# Altium PCB develboard_eva.PcbDoc (part 3 of 4) (continued)
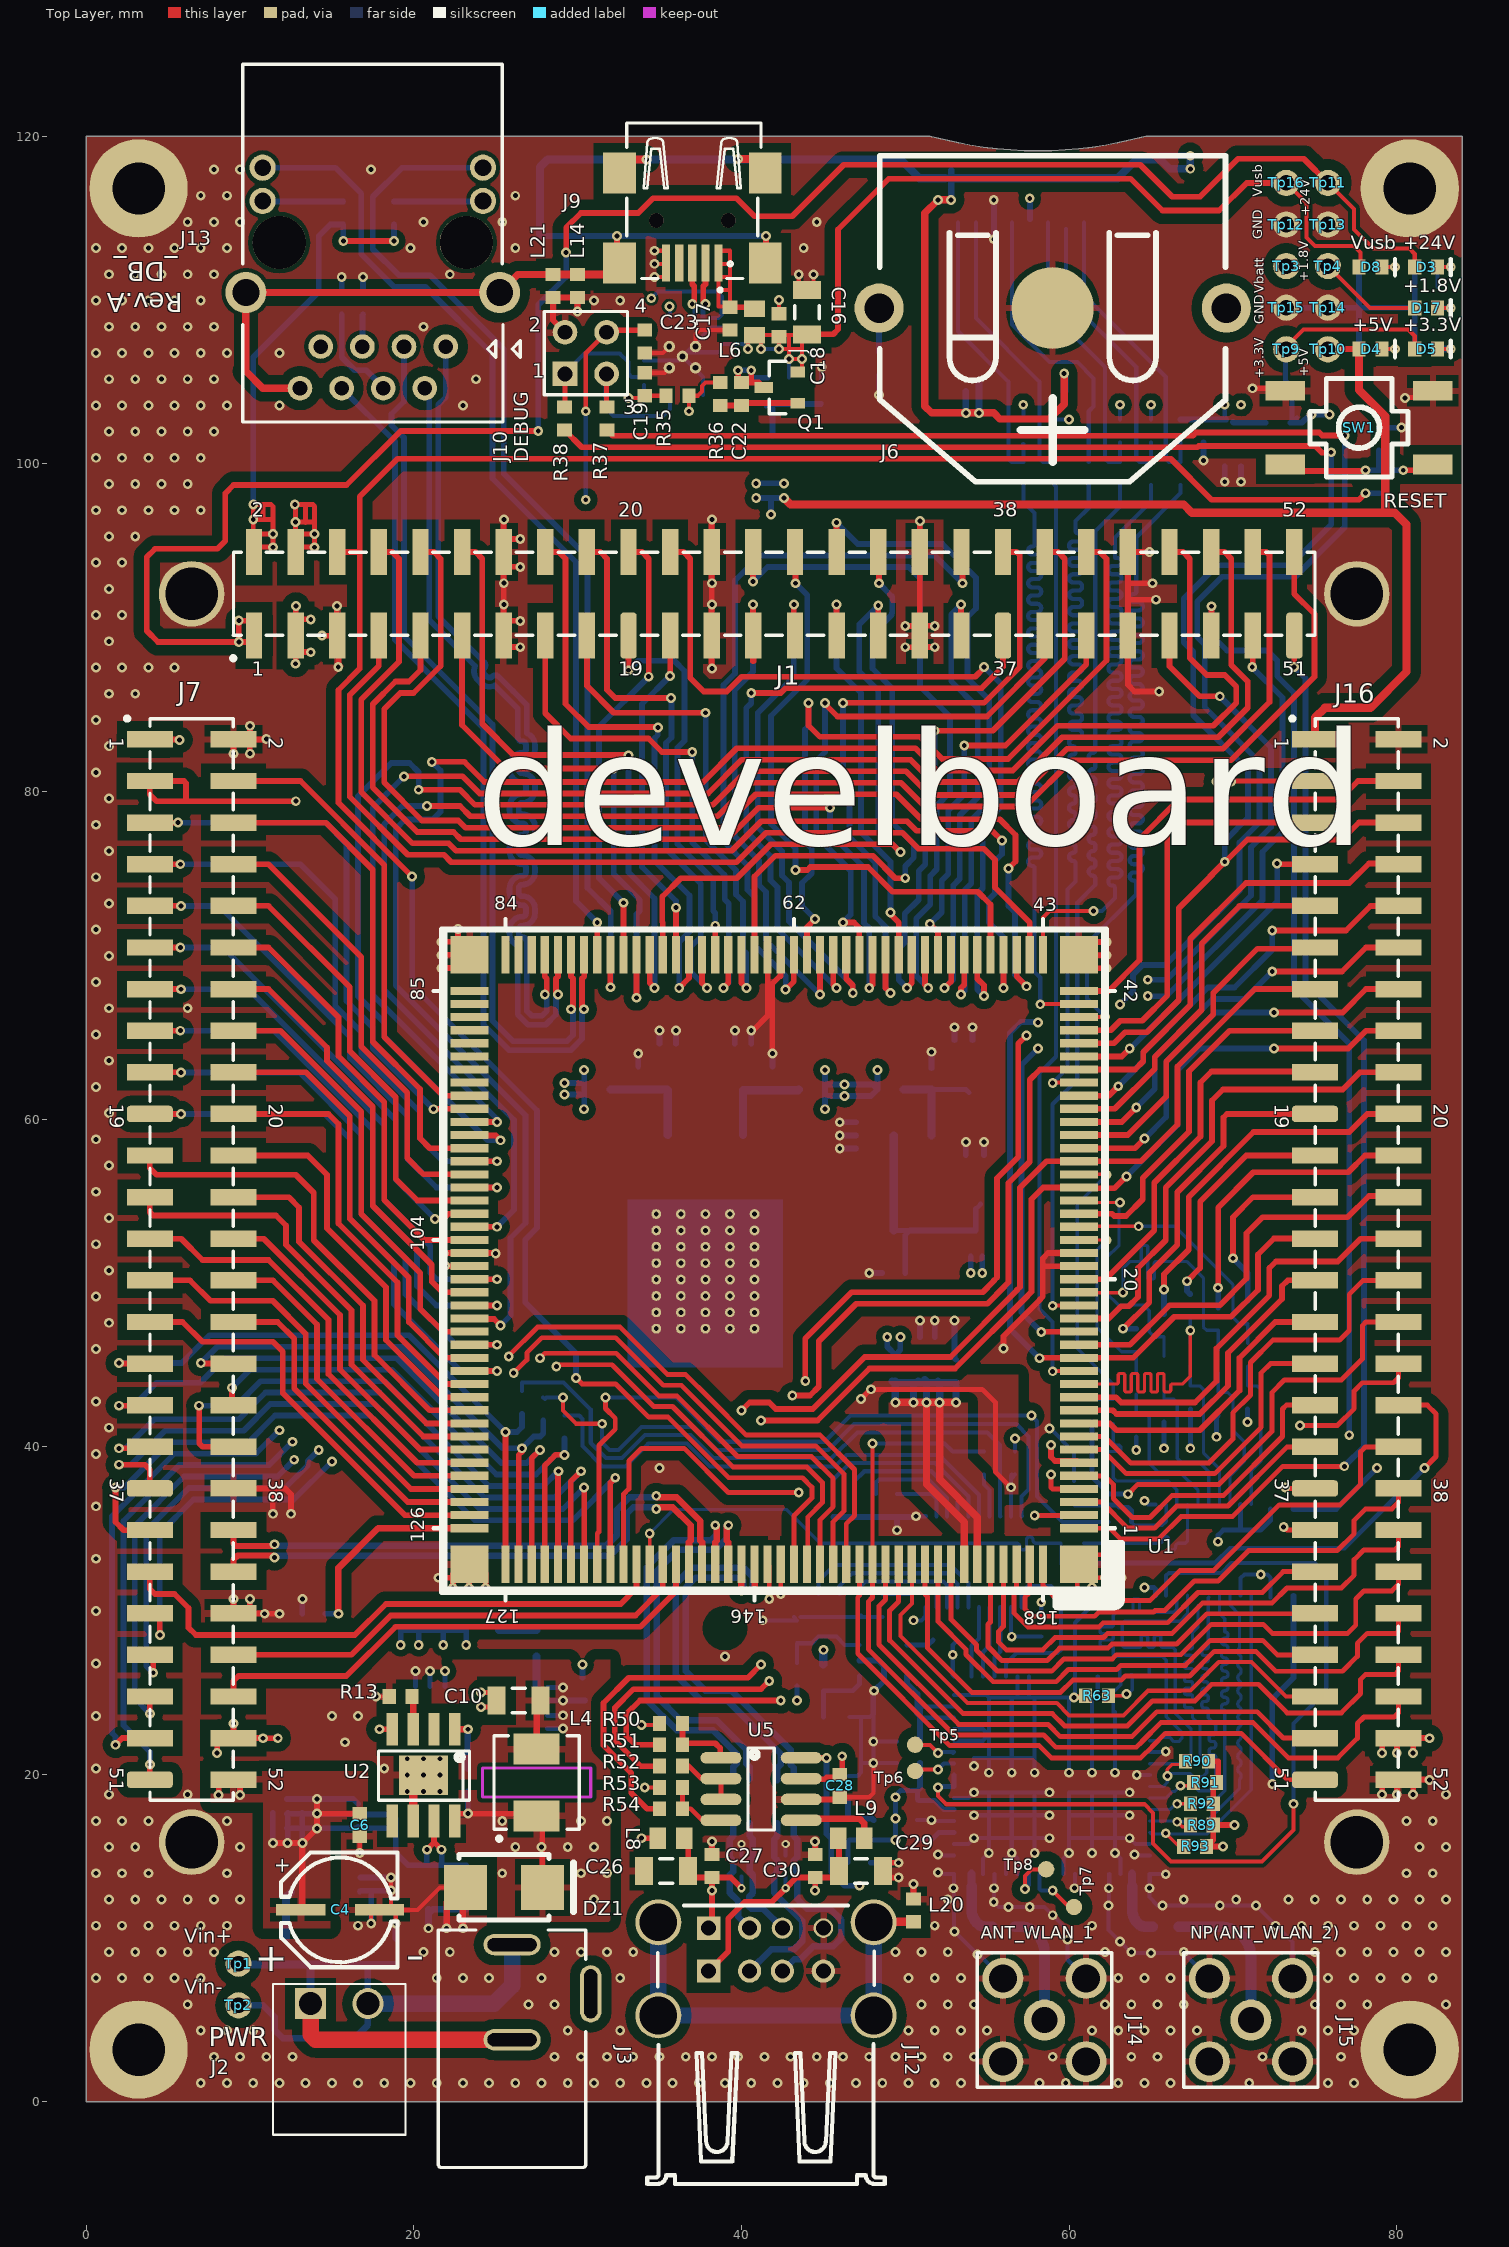
[diagram p0: Top Layer view]
## Nets (pads, with @x,y where several pads share a name; then routed paths per layer and width w, separated by ;. In a path a pad name is that pad's centre, name@x,y a point inside that pad or via, vN(x,y) a via of type N, cw(c..) or ccw(c..) an arc to the next point about the centre after c; other vN are vias at no path point) (continued)
PB1_G0_RXCK_SCK2_ISI_PCK_A2: J7.4 U1.93 | length 28.5
  Top Layer w0.35: J7.4@8.99,80.63 13.08,80.63 18.2,75.51 18.2,65 21.78,61.42 U1.93@23.4,61.42
PB3_G0_TXER_CTS2_ISI_VSYNC_C2: J7.5 U1.94 | length 33.2
  Top Layer w0.35: J7.5@3.89,78.09 5.59,78.09 v1(5.6,78.1) ; v1(21.2,60.6) 21.22,60.62 U1.94@23.4,60.62
  Bottom Layer w0.35: v1(5.6,78.1) 5.61,78.09 14.61,78.09 15.9,76.8 15.9,67.197 17.5,65.597 17.5,64.3 v1(21.2,60.6)
PB4_G0_CRS_RXD2_ISI_HSYNC_J3: J7.13 U1.107 | length 33.9
  Top Layer w0.35: J7.13@3.89,67.93 5.79,67.93 v1(5.8,67.92) ; U1.107@23.4,50.22 v1(25.08,50.22)
  Bottom Layer w0.35: v1(5.8,67.92) 9.92,67.92 18.2,59.64 18.2,55.06 21,52.26 21,50.6 21.38,50.22 v1(25.08,50.22)
PB5_G0_COL_TXD2_PCK2_H2: J7.11 U1.102 | length 28.6
  Top Layer w0.35: J7.11@3.89,70.47 v1(5.75,70.47) ; v1(21.3,53.9) 21.8,53.9 22.12,54.22 U1.102@23.4,54.22
  Bottom Layer w0.35: v1(5.75,70.47) 8.36,70.47 18.9,59.93 18.9,56.3 v1(21.3,53.9)
PB10_G0_RX2_PCK2_PWML1_F1: J7.9 U1.100 | length 32.3
  Top Layer w0.35: J7.9@3.89,73.01 5.79,73.01 v1(5.8,73) ; U1.100@23.4,55.82 v1(25.08,55.82)
  Bottom Layer w0.35: v1(5.8,73) 8.117,73 16.1,65.017 16.1,63.72 19.6,60.22 19.6,57.6 21.38,55.82 v1(25.08,55.82)
PB11_G0_RX3_RTS2_PWMH1_K4: J7.14 U1.108 | length 26.7
  Top Layer w0.35: J7.14@8.99,67.93 11.137,67.93 14.7,64.367 14.7,63.55 17.5,60.75 17.5,54.7 21.1,51.1 21.1,50.073 21.753,49.42 U1.108@23.4,49.42
PB14_G0_TX2_SPI2_NPCS1_PWMH0_A1: J7.6 U1.97 | length 30.6
  Top Layer w0.35: J7.6@8.99,78.09 14.63,78.09 17.5,75.22 17.5,64.71 20.375,61.835 20.375,58.825 20.98,58.22 U1.97@23.4,58.22
PB15_G0_TX3_SPI2_NPCS2_PWML0_E2: J7.8 U1.99 | length 27.8
  Top Layer w0.35: J7.8@8.99,75.55 11.137,75.55 16.8,69.887 16.8,64.42 19.6,61.62 19.6,57.62 20.6,56.62 U1.99@23.4,56.62
PB18_SPI1_MISO_K2: J1.46 U1.110 | length 107.5
  Top Layer w0.35: v1(21.1,81.8) 23.097,81.8 24.321,80.575 37.665,80.575 39.715,82.625 50.618,82.625 51.968,81.275 56.565,81.275 59.29,84 68.8,84 70.2,85.4 70.2,86.4 69.5,87.1 68.4,87.1 67.36,88.14 67.36,94.2 66.95,94.61 J1.46@66.13,94.61 ; U1.110@23.4,47.82 23.4,47.795 24.905,47.795 v1(25.3,47.4)
  Bottom Layer w0.35: v1(21.1,81.8) 21.625,81.275 21.625,78.758 21.142,78.275 19.465,78.275 18.9,77.71 18.9,68.157 26.825,60.232 26.825,53.65 25.905,52.73 25.905,48.005 v1(25.3,47.4)
PB19_SPI1_MOSI_C1: J1.48 U1.95 | length 92.8
  Top Layer w0.35: v1(19.4,80.9) 19.425,80.925 22.981,80.925 24.031,79.875 37.955,79.875 40.005,81.925 50.328,81.925 51.678,80.575 56.855,80.575 59.58,83.3 69.1,83.3 70.9,85.1 70.9,86.713 69.9,87.713 69.9,94.2 69.49,94.61 J1.48@68.67,94.61 ; U1.95@23.4,59.82 v1(25.08,59.82)
  Bottom Layer w0.35: v1(19.4,80.9) 17.5,79 17.5,67.577 25.08,59.997 v1(25.08,59.82)
PB20_SPI1_SPCK__D1: J1.50 U1.96 | length 99.1
  Top Layer w0.35: v1(20.3,80.1) 22.816,80.1 23.741,79.175 38.245,79.175 40.295,81.225 50.038,81.225 51.488,79.775 57.045,79.775 59.87,82.6 69.39,82.6 72.235,85.445 72.235,94.405 72.03,94.61 J1.50@71.21,94.61 ; U1.96@23.4,59.02 23.4,58.995 25.005,58.995 v1(25.3,58.7)
  Bottom Layer w0.35: v1(20.3,80.1) 20.3,81.167 19.742,81.725 18.625,81.725 16.6,79.7 16.6,67.487 18.2,65.887 18.2,65.02 24.52,58.7 v1(25.3,58.7)
PB21_SPI1_NPCS0_L3: J7.16 U1.111 | length 27
  Top Layer w0.35: J7.16@8.99,65.39 11.87,65.39 16.8,60.46 16.8,54.2 20.4,50.6 20.4,48.4 21.78,47.02 U1.111@23.4,47.02
PB22_SPI1_NPCS1_G1: J7.10 U1.101 | length 27.1
  Top Layer w0.35: J7.10@8.99,73.01 11.137,73.01 16.1,68.047 16.1,64.13 18.9,61.33 18.9,56.34 20.22,55.02 U1.101@23.4,55.02
PB23_SPI1_NPCS2_H1: J1.52 U1.103 | length 100.3
  Top Layer w0.35: v1(20.8,79.1) 22.827,79.1 23.452,78.475 38.535,78.475 40.585,80.525 49.745,80.525 51.195,79.075 57.335,79.075 60.16,81.9 69.88,81.9 74.98,87 74.98,90.82 73.75,92.05 J1.52@73.75,94.61 ; U1.103@23.4,53.42 v1(25.08,53.42)
  Bottom Layer w0.35: v1(20.8,79.1) 19.3,79.1 18.2,78 18.2,67.867 26.125,59.942 26.125,54.465 v1(25.08,53.42)
PB24_DRXD_TDI_E1: J7.7 U1.98 | length 35.9
  Top Layer w0.35: J7.7@3.89,75.55 v1(5.75,75.55) ; U1.98@23.4,57.42 v1(25.08,57.42)
  Bottom Layer w0.35: v1(5.75,75.55) 13.09,75.55 15.2,73.44 15.2,66.907 16.8,65.307 16.8,64.01 20.375,60.435 20.375,58.825 21.78,57.42 v1(25.08,57.42)
PB25_DTXD_TDO_J1: J7.12 U1.104 | length 26.7
  Top Layer w0.35: J7.12@8.99,70.47 11.137,70.47 15.4,66.207 15.4,63.84 18.2,61.04 18.2,55.06 20.64,52.62 U1.104@23.4,52.62
PB26_PCK0_RK0_PWMH0_M5: J16.46 U1.157 | length 42.4
  Top Layer w0.3: U1.157@49.6,32.82 49.6,30.551 49.05,30.001 49.05,28.18 53.53,23.7 58.981,23.7 59.731,22.95 63.561,22.95 65.082,24.471 67.676,24.471 68.702,25.498 71.564,25.498 73.312,23.75 76.617,23.75 77.8,24.933 77.8,25.8 78.1,26.1 79.9,26.1 80.11,26.31 J16.46@80.11,27.29
PB27_SPI1_NPCS3_TK0_PWML0_L2: J7.18 U1.113 | length 26.9
  Top Layer w0.35: J7.18@8.99,62.85 13.42,62.85 16.1,60.17 16.1,53.91 19.7,50.31 19.7,47.6 21.88,45.42 U1.113@23.4,45.42
PB28_SPI2_NPCS3_TD0_PWMH1_K1: J7.15 U1.109 | length 33.8
  Top Layer w0.35: J7.15@3.89,65.39 v1(5.75,65.39) ; U1.109@23.4,48.62 v1(25.08,48.62)
  Bottom Layer w0.35: v1(5.75,65.39) 11.46,65.39 17.5,59.35 17.5,54.7 20.2,52 20.2,49.81 21.39,48.62 v1(25.08,48.62)
PB29_TWD2_RD0_PWML1_M3: J7.41 U1.137 | length 35.3
  Top Layer w0.35: J7.41@3.89,32.37 3.89,31.31 4.2,31 5.4,31 6.25,30.15 6.25,28.95 6.7,28.5 16.4,28.5 18.3,30.4 32.63,30.4 33.6,31.37 U1.137@33.6,32.82
PB30_TWCK2_RF0_M4: J7.33 U1.129 | length 39.1
  Top Layer w0.35: v1(2,42.5) 3.68,42.5 3.8,42.62 J7.33@3.89,42.53 ; U1.129@27.2,32.82 27.2,39.3 v1(27.7,39.8)
  Bottom Layer w0.35: v1(2,42.5) 2.9,42.5 4.3,43.9 6.967,43.9 8.467,45.4 18.943,45.4 25.343,39 26.9,39 v1(27.7,39.8) v1@27.7,39.733
PB31_TF0_L1: J7.17 U1.112 | length 33.9
  Top Layer w0.35: J7.17@3.89,62.85 5.79,62.85 v1(5.8,62.84) ; U1.112@23.4,46.22 v1(25.08,46.22)
  Bottom Layer w0.35: v1(5.8,62.84) 13.02,62.84 16.8,59.06 16.8,54.2 19.5,51.5 19.5,49.3 22.58,46.22 v1(25.08,46.22)
PC0_SPI0_MISO_PWMH2_ISI_D8: J7.49 U1.153 | length 76
  Top Layer w0.3: v1(25.8,45.5) 25.8,45.551 27.549,47.3 32.6,47.3 35.5,44.4 36.6,44.4 38.031,42.969 40.3,40.7 44.808,40.7 46.9,38.608 46.9,35.792 46.4,35.292 U1.153@46.4,32.82
  Top Layer w0.35: v1(1.8,21.8) 2.21,22.21 J7.49@3.89,22.21
  Inner w0.3: v1(11.8,41) 11.842,41 15.142,44.3 23.629,44.3 24.749,45.42 25.72,45.42 v1(25.8,45.5)
  Bottom Layer w0.35: v1(1.8,21.8) 1.8,22.3 1.575,22.525 1.575,35.755 5.395,39.575 10.375,39.575 v1(11.8,41)
PC1_SPI0_MOSI_PWML2_ISI_D9_P8: J16.44 U1.159 | length 39.2
  Top Layer w0.3: U1.159@51.2,32.82 51.2,31 51.35,30.85 51.35,27.719 54.069,25 59.477,25 60.227,25.75 63.179,25.75 63.429,26 67.366,26 68.866,27.5 71.4,27.5 72.61,26.29 76.69,26.29 77.6,27.2 77.6,28 78.2,28.6 79.97,28.6 80.11,28.74 J16.44@80.11,29.83
PC2_SPI0_SPCK_PWMH3_ISI_D10_V5: J7.47 U1.151 | length 69.4
  Top Layer w0.3: v1(27.7,45.4) 28,45.7 32.362,45.7 34.962,43.1 36.062,43.1 39.762,39.4 44.27,39.4 45.6,38.07 45.6,36.33 44.8,35.53 U1.151@44.8,32.82
  Top Layer w0.35: J7.47@3.89,24.75 3.89,23.71 v1(3.9,23.7)
  Inner w0.3: v1(12.7,39.2) 13.4,39.9 13.4,40.719 15.681,43 25.731,43 27.7,44.969 v1(27.7,45.4)
  Bottom Layer w0.35: v1(3.9,23.7) 2.975,24.625 2.975,35.175 5.975,38.175 11.675,38.175 v1(12.7,39.2)
PC3_SPI0_NPCS0_PWML3_ISI_D11_T9: J16.39 U1.2 | length 20.7
  Top Layer w0.3: v1(57.9,35.8) 60.6,35.8 U1.2@60.6,35.82 ; v1(73.1,35.1) 73.29,34.91 J16.39@75.01,34.91
  Inner w0.35: v1(57.9,35.8) 62.71,35.8 63.335,35.175 65.665,35.175 66.29,35.8 71.4,35.8 72.1,35.1 v1(73.1,35.1)
PC4_SPI0_NPCS1_MCI0_CK_PCK1_W5: J16.34 R6.2 | length 29.4
  Top Layer w0.3: J16.34@80.11,42.53 81.87,42.53 82.4,42 82.4,39.4 v1(81.7,38.7)
  Bottom Layer w0.3: R6.2@60.9,32.8 60.9,32.9 68.931,32.9 69.831,33.8 76.8,33.8 v1(81.7,38.7)
PC4_SPI0_NPCS1_MCI0_CK_PCK1_W5_INT: R6.1 R84.2 U1.138 | length 30.8
  Top Layer w0.2: U1.138@34.4,32.82 v1(34.4,34.7)
  Bottom Layer w0.2: v1(34.4,34.7) 35.869,36.169 42.731,36.169 44.8,34.1 55.7,34.1 56.8,34.1 cw(c56.8,33.9) 57,33.9 ccw(c57.2,33.9) 57.2,33.7 ccw(c57.2,33.9) 57.4,33.9 57.4,34.1 57.4,34.3 cw(c57.6,34.3) 57.6,34.5 cw(c57.6,34.3) 57.8,34.3 ccw(c58,34.3) 58,34.1 58.2,34.1 58.4,34.1 58.5,34.1 58.7,34.1 R84.2@59.5,34.1 R6.1@59.5,32.8
PC19_ISI_D0_TK1_U14: J16.31 U1.7 | length 19.7
  Top Layer w0.3: U1.7@60.6,39.82 62.029,39.82 63.499,38.35 68.881,38.35 71.725,41.194 71.725,44.5 72.295,45.07 J16.31@75.01,45.07
PC20_ISI_D1_TF1_V11: J16.35 U1.3 | length 17.1
  Top Layer w0.3: U1.3@60.6,36.62 61.994,36.62 63.589,35.025 65.211,35.025 66.561,36.375 69.699,36.375 73.314,39.99 J16.35@75.01,39.99
PC21_ISI_D2_TD1_U15: J16.28 U1.8 | length 28.2
  Top Layer w0.3: U1.8@60.6,40.62 62.149,40.62 63.769,39 68.531,39 70,40.469 70,42.066 71.075,43.141 71.075,45.141 72.434,46.5 76.507,46.5 77.1,47.093 77.1,49.3 77.95,50.15 J16.28@80.11,50.15
PC22_ISI_D3_RF1_T15: J16.42 U1.161 | length 36.5
  Top Layer w0.3: U1.161@52.8,32.82 52.8,29.451 54.35,27.901 54.35,27.58 55.63,26.3 58.938,26.3 59.688,27.05 62.64,27.05 62.89,27.3 66.828,27.3 68.678,29.15 71.85,29.15 72.4,28.6 77,28.6 77.5,29.1 77.5,30.7 78,31.2 79.7,31.2 80.11,31.61 J16.42@80.11,32.37
PC23_ISI_D4_RD1_U16: J16.27 U1.10 | length 19.5
  Top Layer w0.35: U1.10@60.6,42.22 62.67,42.22 62.898,41.992 67.982,41.992 69.7,43.71 69.7,45.71 73,49.01 73,49.8 73.35,50.15 J16.27@75.01,50.15
PC24_ISI_D5_RK1_PCK1_T16: J16.29 U1.9 | length 18.5
  Top Layer w0.35: U1.9@60.6,41.42 62.48,41.42 62.9,41 67.98,41 70.4,43.42 70.4,45.42 72.59,47.61 J16.29@75.01,47.61
PC25_ISI_D6_TWD3_URXD1_V17: J16.15 U1.25 | length 22.1
  Top Layer w0.35: U1.25@60.6,54.22 62.613,54.22 62.758,54.075 63.475,54.075 64.5,55.1 64.5,56.4 67.325,59.225 67.325,62.919 69.796,65.39 J16.15@75.01,65.39
PC26_ISI_D7_TWCK3_UTXD1_R16: J16.26 U1.11 | length 25.9
  Top Layer w0.35: U1.11@60.6,43.02 62.86,43.02 63.188,42.692 67.692,42.692 69,44 69,46 72.225,49.225 72.225,50.9 72.625,51.3 76.4,51.3 77.79,52.69 J16.26@80.11,52.69
PC27_AD0_SPI0_NPCS1_PWML0_U12: J1.45 R62.1 U1.136 | length 110
  Top Layer w0.3: U1.136@32.8,32.82 32.8,37.1 33.125,37.425 33.125,39.125 33.9,39.9 36.504,39.9 39.204,37.2 v1(43.5,37.2)
  Top Layer w0.35: v1(43.9,44) 43.9,46.6 46.725,49.425 54.725,49.425 55.375,50.075 55.375,50.102 55.6,50.327 55.6,56.38 56.9,57.68 56.9,64.6 v1(57.4,65.1) ; J1.45@66.13,89.51 66.13,87.63 67.96,85.8 v1(69.2,85.8)
  Inner w0.3: v1(43.4,24.5) 44.1,25.2 44.1,27.981 45.3,29.181 45.3,34.2 43.5,36 v1(43.5,37.2) 43.5,41.681 43.907,42.087 43.907,43.993 v1(43.9,44) ; v1(57.4,65.1) 59.631,65.1 59.781,64.95 62.231,64.95 63.231,65.95 63.75,65.95 63.9,66.1 63.9,66.664 63.9,68.1 64.3,68.5 v1(64.8,68.5)
  Bottom Layer w0.3: v1(43.4,24.5) R62.1@43.4,25.4
  Bottom Layer w0.35: v1@64.8,68.6 v1(64.8,68.5) 65.955,68.5 71.1,73.645 71.1,76.59 72.325,77.815 72.325,82.675 v1(69.2,85.8)
PC28_AD1_SPI0_NPCS2_PWML1_T11: J1.47 R86.2 U1.134 | length 128.9
  Top Layer w0.3: U1.134@31.2,32.82 31.2,34.7 31.3,34.8 31.3,40.069 32.3,41.069 32.3,41.731 31.7,42.331 v1(31.7,43)
  Top Layer w0.35: v1@68.67,91.27 v1(68.7,91.3) J1.47@68.7,89.5
  Inner w0.35: v1(57.7,41.9) 57.725,41.925 59.35,41.925 62.575,38.7 70.333,38.7 73.758,42.125 75.675,42.125 v1(77.1,40.7)
  Bottom Layer w0.25: v1(31.7,43) 36,43 38.7,40.3 45.058,40.3 46.658,41.9 v1(57.7,41.9) 58.05,41.55 58.05,36.95 59.6,35.4 R86.2@62.4,35.4
  Bottom Layer w0.35: v1(68.7,91.3) 68.7,89.54 69.64,88.6 72.1,88.6 72.7,88 72.7,87.035 73.725,86.01 73.725,67.975 77.1,64.6 v1(77.1,40.7)
PC29_AD2_SPI0_NPCS3_PWMFI0_R13: J1.49 U1.16 | length 56.3
  Top Layer w0.35: v1(58.3,47) 58.32,47.02 U1.16@60.6,47.02 ; v1(71.18,87.6) 71.21,87.63 J1.49@71.21,89.51
  Inner w0.3: v1(58.1,64.3) 62.5,64.3 63.5,65.3 64.1,65.3 64.8,66 v1(64.8,67.5)
  Bottom Layer w0.35: v1(58.1,64.3) 57.1,63.3 57.1,48.2 v1(58.3,47) ; v1(64.8,67.5) 65.945,67.5 71.8,73.355 71.8,76.3 73.025,77.525 73.025,85.72 71.18,87.565 v1(71.18,87.6)
PC30_AD3_PWMH0_T12: J1.51 U1.1 | length 71.3
  Top Layer w0.3: U1.1@60.6,35.02 62.48,35.02 63.125,34.375 65.48,34.375 66.83,35.725 69.969,35.725 73.044,38.8 v1(76.8,38.8)
  Top Layer w0.35: v1(73.72,87.6) 73.75,87.63 J1.51@73.75,89.51
  Bottom Layer w0.35: v1(73.72,87.6) 74.425,86.895 74.425,68.375 78,64.8 78,40 v1(76.8,38.8)
PC31_AD4_PWMH1_T13: J16.32 U1.6 | length 28.7
  Top Layer w0.3: v1(74.1,41.3) 76.387,41.3 77.4,42.313 77.4,43.4 77.9,43.9 79.8,43.9 80.1,44.2 80.1,45.06 J16.32@80.11,45.07
  Top Layer w0.35: v1(58.9,40.1) 58.9,39.367 59.142,39.125 60.495,39.125 U1.6@60.6,39.02
  Inner w0.3: v1(58.9,40.1) 60.3,38.7 ; 73.2,40.4 v1(74.1,41.3)
  Inner w0.35: 60.3,38.7 61,38 70.8,38 73.2,40.4
PD8_PCK0_M1: J7.19 U1.114 | length 33.7
  Top Layer w0.35: J7.19@3.89,60.31 5.79,60.31 v1(5.8,60.3) ; U1.114@23.4,44.62 v1(25.08,44.62)
  Bottom Layer w0.35: v1@5.79,60.3 v1(5.8,60.3) 14.57,60.3 16.1,58.77 16.1,53.91 18.8,51.21 18.8,48.69 22.87,44.62 v1(25.08,44.62)
PD9_FIQ_M2: J7.20 U1.115 | length 26.7
  Top Layer w0.35: J7.20@8.99,60.31 14.79,60.31 15.4,59.7 15.4,53.62 19,50.02 19,46.8 21.98,43.82 U1.115@23.4,43.82
PD10_CTS0_N2: J7.24 U1.118 | length 23.3
  Top Layer w0.35: J7.24@8.99,55.23 12.37,55.23 13,54.6 13,52.51 16.899,48.611 16.899,45.297 20.776,41.42 U1.118@23.4,41.42
PD11_RTS0_SPI2_MISO_N3: J7.23 U1.119 | length 28.7
  Top Layer w0.35: J7.23@3.89,55.23 3.89,54.31 4.095,54.105 11.595,54.105 12.2,53.5 12.2,52.32 16.199,48.321 16.199,45.007 20.586,40.62 U1.119@23.4,40.62
PD12_RXD0_N1: J7.21 U1.117 | length 30
  Top Layer w0.35: J7.21@3.89,57.77 3.89,57.01 4.3,56.6 12.8,56.6 13.9,55.5 13.9,52.6 17.599,48.901 17.599,45.587 20.966,42.22 U1.117@23.4,42.22
PD13_TXD0_SPI2_MOSI_P3: J7.26 U1.120 | length 21.7
  Top Layer w0.35: J7.26@8.99,52.69 10.84,52.69 15.499,48.031 15.499,44.717 20.396,39.82 U1.120@23.4,39.82
PD14_CTS1_P2: J7.34 R60.1 U1.130 | length 33.5
  Top Layer w0.35: v1(8.9,43.6) 8.9,42.62 J7.34@8.99,42.53 ; U1.130@28,32.82 28,38.842 28.382,39.224 28.658,39.5 v1(29.2,39.5)
  Bottom Layer w0.35: v1(8.9,43.6) 10,44.7 18.653,44.7 25.053,38.3 27.458,38.3 28.658,39.5 v1(29.2,39.5) R60.1@29.2,40.5
PD15_RTS1_SPI2_SPCK_N4: J16.48 R57.1 U1.155 | length 58.7
  Top Layer w0.25: U1.155@48,32.82 v1(48,40.2)
  Top Layer w0.3: U1.155@48,32.82 48,30.789 47.75,30.539 47.75,27.642 52.992,22.4 58.442,22.4 59.192,21.65 64.108,21.65 64.45,21.992 64.45,22.001 65.599,23.15 71.231,23.15 73.381,21 76.407,21 77.6,22.193 77.6,23.1 78,23.5 79.85,23.5 80.1,23.75 80.1,24.74 J16.48@80.11,24.75
  Bottom Layer w0.25: v1(48,40.2) 52.4,40.2 52.9,39.7 R57.1@54.8,39.7
PD16_RXD1_R2: J7.31 R59.1 U1.127 | length 38.7
  Top Layer w0.35: v1(2,45.1) 2.03,45.07 J7.31@3.89,45.07 ; U1.127@25.6,32.82 v1(25.6,40.9)
  Bottom Layer w0.35: v1(2,45.1) 5.833,45.1 7.533,46.8 19.7,46.8 v1(25.6,40.9) 26.3,40.9 26.6,41.2 R59.1@26.6,42
PD17_TXD1_SPI2_NPCS0_R3: J7.32 R58.1 U1.128 | length 34.2
  Top Layer w0.35: v1(7,45.1) 7.03,45.07 J7.32@8.99,45.07 ; U1.128@26.4,32.82 26.4,39.49 26.6,39.69 v1(26.6,39.9)
  Bottom Layer w0.35: v1(7,45.1) 8,46.1 19.233,46.1 25.433,39.9 v1(26.6,39.9) 27.325,40.625 27.725,40.625 27.9,40.8 R58.1@27.9,41.6
PD19_P11: J16.36 U1.168 | length 28.7
  Top Layer w0.3: U1.168@58.4,32.82 58.4,31.531 59.631,30.3 61.294,30.3 61.594,30.6 64.931,30.6 66.781,32.45 68.831,32.45 72.831,36.45 76.55,36.45 77.8,37.7 77.8,39.7 78.09,39.99 J16.36@80.11,39.99
PD20_T10: J16.47 U1.158 | length 34.2
  Top Layer w0.25: U1.158@50.4,32.82 50.4,30.431 49.7,29.731 49.7,28.449 53.799,24.35 59.25,24.35 60,23.6 63.327,23.6 64.827,25.1 66.8,25.1 ; 66.8,25.121 67.406,25.121 69.135,26.85 71.131,26.85 73.231,24.75 J16.47@75.01,24.75
PD21_P10: J16.40 U1.165 | length 33.7
  Top Layer w0.3: U1.165@56,32.82 56,29.031 55.7,28.731 55.7,28.069 56.169,27.6 58.4,27.6 59.15,28.35 62.102,28.35 62.352,28.6 66.289,28.6 68.139,30.45 72.38,30.45 73.3,31.37 76.617,31.37 77.4,32.153 77.4,33.1 78,33.7 79.89,33.7 80.1,33.91 J16.40@80.1,35
PD22_U11: J16.37 U1.4 | length 20.3
  Top Layer w0.3: v1(58.9,38.3) 58.9,37.508 58.988,37.42 U1.4@60.6,37.42 ; v1(73.2,37.5) 73.25,37.45 J16.37@75.01,37.45
  Inner w0.35: v1(58.9,38.3) 60.575,36.625 62.875,36.625 63.258,36.242 63.625,35.875 65.375,35.875 66,36.5 72.2,36.5 v1(73.2,37.5)
PD23_R10: J16.41 U1.166 | length 23.2
  Top Layer w0.3: U1.166@56.8,32.82 56.8,31.219 56.65,31.069 56.65,29.831 57.481,29 61.833,29 62.083,29.25 66.02,29.25 67.87,31.1 71.8,31.1 73.07,32.37 J16.41@75.01,32.37
PD24_U10: J16.38 U1.167 | length 30.1
  Top Layer w0.3: U1.167@57.6,32.82 57.6,31.1 57.3,30.8 57.3,30.1 57.75,29.65 61.564,29.65 61.814,29.9 65.151,29.9 65.251,30 65.847,30 65.849,29.998 67.651,31.8 69.1,31.8 70.95,33.65 76.357,33.65 77.4,34.693 77.4,35.5 78.1,36.2 79.7,36.2 80.1,36.6 J16.38@80.1,37.5
PD25_R11: J16.33 U1.5 | length 19.8
  Top Layer w0.3: U1.5@60.6,38.22 62.18,38.22 62.7,37.7 62.7,36.833 63.858,35.675 64.942,35.675 66.292,37.025 69.43,37.025 73.025,40.62 73.025,42.3 73.255,42.53 J16.33@75.01,42.53
  Top Layer w0.35: U1.5@60.6,38.175 U1.5@60.6,38.22
PD26_U13: J7.37 U1.133 | length 41
  Top Layer w0.35: v1(2,38.9) 3.6,38.9 3.89,38.61 J7.37@3.89,37.45 ; U1.133@30.4,32.82 v1(30.4,37.5)
  Bottom Layer w0.35: v1(2,38.9) 2.74,38.9 4.815,40.975 9.618,40.975 11.243,42.6 17.62,42.6 24.02,36.2 29.1,36.2 v1(30.4,37.5)
PD27_T14: J16.45 U1.160 | length 29.6
  Top Layer w0.3: U1.160@52,32.82 52,29.331 53.7,27.631 53.7,27.311 55.361,25.65 59.208,25.65 59.958,26.4 62.91,26.4 63.16,26.65 67.097,26.65 68.623,28.177 71.823,28.177 72.71,27.29 J16.45@75.01,27.29
PD28_SCK0_R1: J7.28 U1.122 | length 21.3
  Top Layer w0.35: J7.28@8.99,50.15 11.4,50.15 14.099,47.451 14.099,44.137 20.017,38.22 U1.122@23.4,38.22
PD29_SCK1_P1: J7.25 U1.121 | length 27.1
  Top Layer w0.35: J7.25@3.89,52.69 5.81,52.69 7.1,51.4 11.14,51.4 14.799,47.741 14.799,44.427 20.207,39.02 U1.121@23.4,39.02
PD31_SPI0_NPCS2_PCK1_P5: J16.49 U1.156 | length 35.3
  Top Layer w0.3: U1.156@48.8,32.82 48.8,30.67 48.4,30.27 48.4,27.911 53.261,23.05 58.712,23.05 59.462,22.3 63.83,22.3 65.351,23.821 71.479,23.821 73.09,22.21 J16.49@75.01,22.21
PE0_MCI0_CDB_CTS4_W19: J16.30 R7.2 | length 29.4
  Top Layer w0.3: v1(63.6,37.1) 64.2,37.7 69.151,37.7 72.375,40.924 72.375,43.3 73.145,44.07 76.617,44.07 77.9,45.353 77.9,47.39 78.12,47.61 J16.30@80.11,47.61
  Bottom Layer w0.3: R7.2@61.4,41.5 61.4,38.157 62.457,37.1 v1(63.6,37.1)
PE0_MCI0_CDB_CTS4_W19_INT: R7.1 R85.2 U1.28 | length 18.5
  Top Layer w0.2: U1.28@60.6,56.62 62.28,56.62 v1(62.3,56.6)
  Bottom Layer w0.2: R7.1@61.4,42.9 R85.2@62.7,42.9 62.7,43.8 60.5,46 60.5,54.8 v1(62.3,56.6) v1@62.3,56.7
PE1_MCI0_DB0_U17: J16.19 R5.2 | length 21.9
  Top Layer w0.35: v1(63.3,47.2) 64.9,48.8 64.9,50.61 66.6,52.31 66.6,55.53 69.425,58.355 69.425,60.1 69.635,60.31 J16.19@75.01,60.31
  Bottom Layer w0.35: v1(63.3,47.2) R5.2@64.1,47.2
PE1_MCI0_DB0_U17_INT: R5.1 R83.2 U1.23 | length 11.5
  Top Layer w0.2: U1.23@60.6,52.62 62.28,52.62 v1(62.3,52.6)
  Bottom Layer w0.2: v1(62.3,52.6) 61.7,52 61.7,47.3 63.2,45.8 R5.1@64.1,45.8 R83.2@64.1,44.6
PE2_MCI0_DB1_T17: J16.20 R4.2 | length 22.7
  Top Layer w0.35: v1(65.8,49.6) 65.8,50.52 67.3,52.02 67.3,55.24 71.26,59.2 77.1,59.2 78.2,60.3 ; 78.2,60.31 J16.20@80.11,60.31
  Bottom Layer w0.35: R4.2@65.8,48.1 v1(65.8,49.6)
PE2_MCI0_DB1_T17_INT: R4.1 R82.2 U1.26 | length 15
  Top Layer w0.2: U1.26@60.6,55.02 60.72,54.9 v1(63.1,54.9)
  Bottom Layer w0.2: v1(63.1,54.9) 63.05,54.85 63.05,52.289 62.25,51.489 62.25,49.389 62.989,48.65 64.55,48.65 64.9,48.3 64.9,47 65.2,46.7 R4.1@65.8,46.7 R82.2@65.8,45.5
PE3_MCI0_DB2_P16: J16.21 R3.2 | length 14.2
  Top Layer w0.35: v1(67.2,50.1) 68,50.9 68,54.95 70.82,57.77 J16.21@75.01,57.77
  Bottom Layer w0.35: v1(67.2,50.1) 67.2,49.5 R3.2@67.4,49.3
PE3_MCI0_DB2_P16_INT: R3.1 R81.2 U1.12 | length 19.5
  Top Layer w0.2: U1.12@60.6,43.82 62.8,43.82 62.88,43.82 ccw(c62.88,43.94) 63,43.94 63,44.348 cw(c63.12,44.348) 63.12,44.468 63.28,44.468 cw(c63.28,44.348) 63.4,44.348 63.4,43.82 63.4,43.452 ccw(c63.52,43.452) 63.52,43.332 63.68,43.332 ccw(c63.68,43.452) 63.8,43.452 63.8,43.82 63.8,44.348 cw(c63.92,44.348) 63.92,44.468 64.08,44.468 cw(c64.08,44.348) 64.2,44.348 64.2,43.82 64.2,43.452 ccw(c64.32,43.452) 64.32,43.332 64.48,43.332 ccw(c64.48,43.452) 64.6,43.452 64.6,43.82 64.6,44.348 cw(c64.72,44.348) 64.72,44.468 64.88,44.468 cw(c64.88,44.348) 65,44.348 65,43.82 65,43.452 ccw(c65.12,43.452) 65.12,43.332 65.28,43.332 ccw(c65.28,43.452) 65.4,43.452 65.4,43.82 65.4,44.348 cw(c65.52,44.348) 65.52,44.468 65.68,44.468 cw(c65.68,44.348) 65.8,44.348 65.8,43.82 65.8,43.452 ccw(c65.92,43.452) 65.92,43.332 66.08,43.332 ccw(c66.08,43.452) 66.2,43.452 66.2,43.7 cw(c66.32,43.7) 66.32,43.82 66.9,43.82 66.92,43.82 67.4,44.3 v1(67.4,47.1)
  Bottom Layer w0.2: R81.2@67.4,46.3 R3.1@67.4,47.8
PE4_MCI0_DB3_U18: J16.22 R2.2 | length 18.4
  Top Layer w0.35: v1(69.1,49.7) 69.1,54.6 71.245,56.745 77.045,56.745 78.07,57.77 J16.22@80.11,57.77
  Bottom Layer w0.35: R2.2@69.1,48.5 v1(69.1,49.7)
PE4_MCI0_DB3_U18_INT: R2.1 R80.2 U1.19 | length 18.7
  Top Layer w0.2: U1.19@60.6,49.42 60.62,49.4 v1(63.3,49.4)
  Bottom Layer w0.2: v1(63.3,49.4) 63.3,50.9 63.7,51.3 64.2,51.3 64.28,51.3 ccw(c64.28,51.42) 64.4,51.42 64.4,52.165 cw(c64.52,52.165) 64.52,52.285 64.68,52.285 cw(c64.68,52.165) 64.8,52.165 64.8,51.3 64.8,50.347 ccw(c64.92,50.347) 64.92,50.227 65.08,50.227 ccw(c65.08,50.347) 65.2,50.347 65.2,51.18 cw(c65.32,51.18) 65.32,51.3 66.4,51.3 67.2,51.3 68.2,50.3 68.2,47.3 68.4,47.1 R2.1@69.1,47.1 R80.2@69.1,45.9
PE5_CTS3_R17: J16.17 U1.20 | length 23.3
  Top Layer w0.35: U1.20@60.6,50.22 62.22,50.22 65.2,53.2 65.2,56.11 68.025,58.935 68.025,62.225 68.7,62.9 74.96,62.9 J16.17@75.01,62.85
PE6_TIOA3_V19: J16.14 U1.30 | length 25.5
  Top Layer w0.35: U1.30@60.6,58.22 64.02,58.22 v1(64.6,58.8) ; v1(72.5,66.5) 76.7,66.5 78.13,67.93 J16.14@80.11,67.93
  Bottom Layer w0.35: v1(64.6,58.8) 65.925,60.125 65.925,63.5 68.925,66.5 v1(72.5,66.5)
PE7_TIOB3_PWMFI1_U19: J16.11 U1.31 | length 21.2
  Top Layer w0.35: U1.31@60.6,59.02 63.587,59.02 65.925,61.358 65.925,63.498 68.8,66.373 68.8,67.7 71.5,70.4 74.94,70.4 J16.11@75.01,70.47
PE8_TCLK3_PWML3_T19: J16.23 R1.2 | length 11
  Top Layer w0.35: v1(70,51.5) 70,54 71.23,55.23 J16.23@75.01,55.23
  Bottom Layer w0.35: v1(70,51.5) 70.9,50.6 R1.2@70.9,48.9
PE8_TCLK3_PWML3_T19_INT: R1.1 R79.2 U1.24 | length 15.1
  Top Layer w0.2: U1.24@60.6,53.42 60.62,53.4 60.67,53.45 v1(64.25,53.45)
  Bottom Layer w0.2: v1(64.25,53.45) 66.45,53.45 70,49.9 70,47.9 70.4,47.5 R1.1@70.9,47.5 ; R1.1@70.839,47.439 70.9,47.378 R79.2@70.9,46.3
PE9_TIOA2_T18: J16.12 U1.32 | length 25.1
  Top Layer w0.35: U1.32@60.6,59.82 63.22,59.82 v1(64.1,60.7) ; v1(72.4,69) 76.66,69 78.13,70.47 J16.12@80.11,70.47
  Bottom Layer w0.35: v1(64.1,60.7) 65.225,61.825 65.225,63.79 68.76,67.325 70.725,67.325 v1(72.4,69)
PE10_TIOB2_N14: J16.43 U1.164 | length 26.9
  Top Layer w0.3: U1.164@55.2,32.82 55.2,29.3 55.05,29.15 55.05,27.799 55.899,26.95 58.669,26.95 59.419,27.7 62.371,27.7 62.621,27.95 66.558,27.95 68.408,29.8 J16.43@75.3,29.8
PE11_TCLK2_R18: J16.8 R51.1 U1.36 | length 95.7
  Top Layer w0.35: R51.1@35,21.8 33.533,21.8 32.975,22.358 32.975,23.675 33.8,24.5 v1(42.4,24.5) ; v1(43.107,43.125) 44.192,43.125 44.725,43.658 44.725,46.435 47.015,48.725 55.015,48.725 56.075,49.785 56.075,49.812 56.3,50.037 56.3,56.09 57.6,57.39 57.6,62.4 58.225,63.025 60.6,63.025 U1.36@60.6,63.02 64.02,63.02 64.525,63.525 64.525,64.078 67.4,66.953 67.4,71 70.8,74.4 77.1,74.4 78.3,75.6 J16.8@80.2,75.6 ; J16.8@80.1,75.3 J16.8@80.4,75.6
  Inner w0.3: v1(42.4,24.5) 42.4,25.2 43.4,26.2 43.4,28.2 44.65,29.45 44.65,33.55 42.7,35.5 42.7,41.8 43.107,42.207 v1(43.107,43.125)
PE12_TIOA1_PWMH2_P17: J16.16 R52.1 U1.27 | length 87.6
  Top Layer w0.35: R52.1@35,20.5 33.843,20.5 32.275,22.068 32.275,24.065 33.41,25.2 41.2,25.2 v1(41.7,25.7) ; v1(41.2,41.6) 44.647,41.6 47.822,44.775 53.045,44.775 57.475,49.205 57.475,49.232 57.7,49.457 57.7,55.1 58.42,55.82 U1.27@60.6,55.82 60.6,55.775 62.775,55.775 v1(63.5,56.5) ; v1(72.5,64.3) 77.04,64.3 78.13,65.39 J16.16@80.11,65.39
  Inner w0.3: v1(41.2,41.6) 42,40.8 42,35.281 44,33.281 44,29.719 42.75,28.469 42.75,26.75 v1(41.7,25.7)
  Bottom Layer w0.35: v1(63.5,56.5) 66.625,59.625 66.625,62.975 67.95,64.3 v1(72.5,64.3)
PE13_TIOB1_PWML2_P18: J16.10 U1.34 | length 25.5
  Top Layer w0.35: U1.34@60.6,61.42 62.42,61.42 v1(63,62) ; v1(72.4,71.5) 76.9,71.5 78.4,73 J16.10@80.3,73
  Bottom Layer w0.35: v1(63,62) 64.525,63.525 64.525,64.08 68.47,68.025 70.1,68.025 72.4,70.325 v1(72.4,71.5)
PE14_TCLK1_PWMH3_N17: J16.13 R54.1 U1.29 | length 88.3
  Top Layer w0.35: R54.1@35,17.9 34.233,17.9 33.275,18.858 33.275,20.075 33.277,20.077 31.575,21.778 31.575,24.355 33.12,25.9 40.4,25.9 v1(41.2,26.7) ; v1(40,42.2) 40.5,42.7 41.7,42.7 42.1,42.3 44.357,42.3 47.532,45.475 52.755,45.475 56.775,49.495 56.775,49.522 57,49.747 57,55.8 58.62,57.42 U1.29@60.6,57.42 60.605,57.425 64.392,57.425 66.625,59.658 66.625,63.209 71.346,67.93 J16.13@75.01,67.93
  Inner w0.3: v1(40,42.2) 40,41.633 41.3,40.333 41.3,35.062 43.35,33.012 43.35,29.988 42.1,28.738 42.1,27.6 v1(41.2,26.7)
PE15_SCK3_TIOA0_N18: J16.5 U1.39 | length 25.4
  Top Layer w0.35: U1.39@60.6,65.42 U1.39@60.81,65.42 ; U1.39@60.935,65.415 62.542,65.415 63.127,66 64.467,66 66,67.533 66,77.6 66.5,78.1 J16.5@75,78.1